# Altium PCB roach2.PcbDoc (part 31 of 39)
Units mil, origin at the board's own origin, x right, y up, seen from the top; angles counter-clockwise.
Board outline 12007.87 x 9606.3 mil, 16 copper layers (L1_TOP, L2_G, L3_S, L4_G, L5_S, L6_P, L7_G, L8_R, L9_R, L10_P, L11_P, L12_S, L13_P, L14_S, L15_G, L16_BOT), stack 81.651 mil thick; 1608 components, 1934 nets, 9335 pads, 6759 vias.
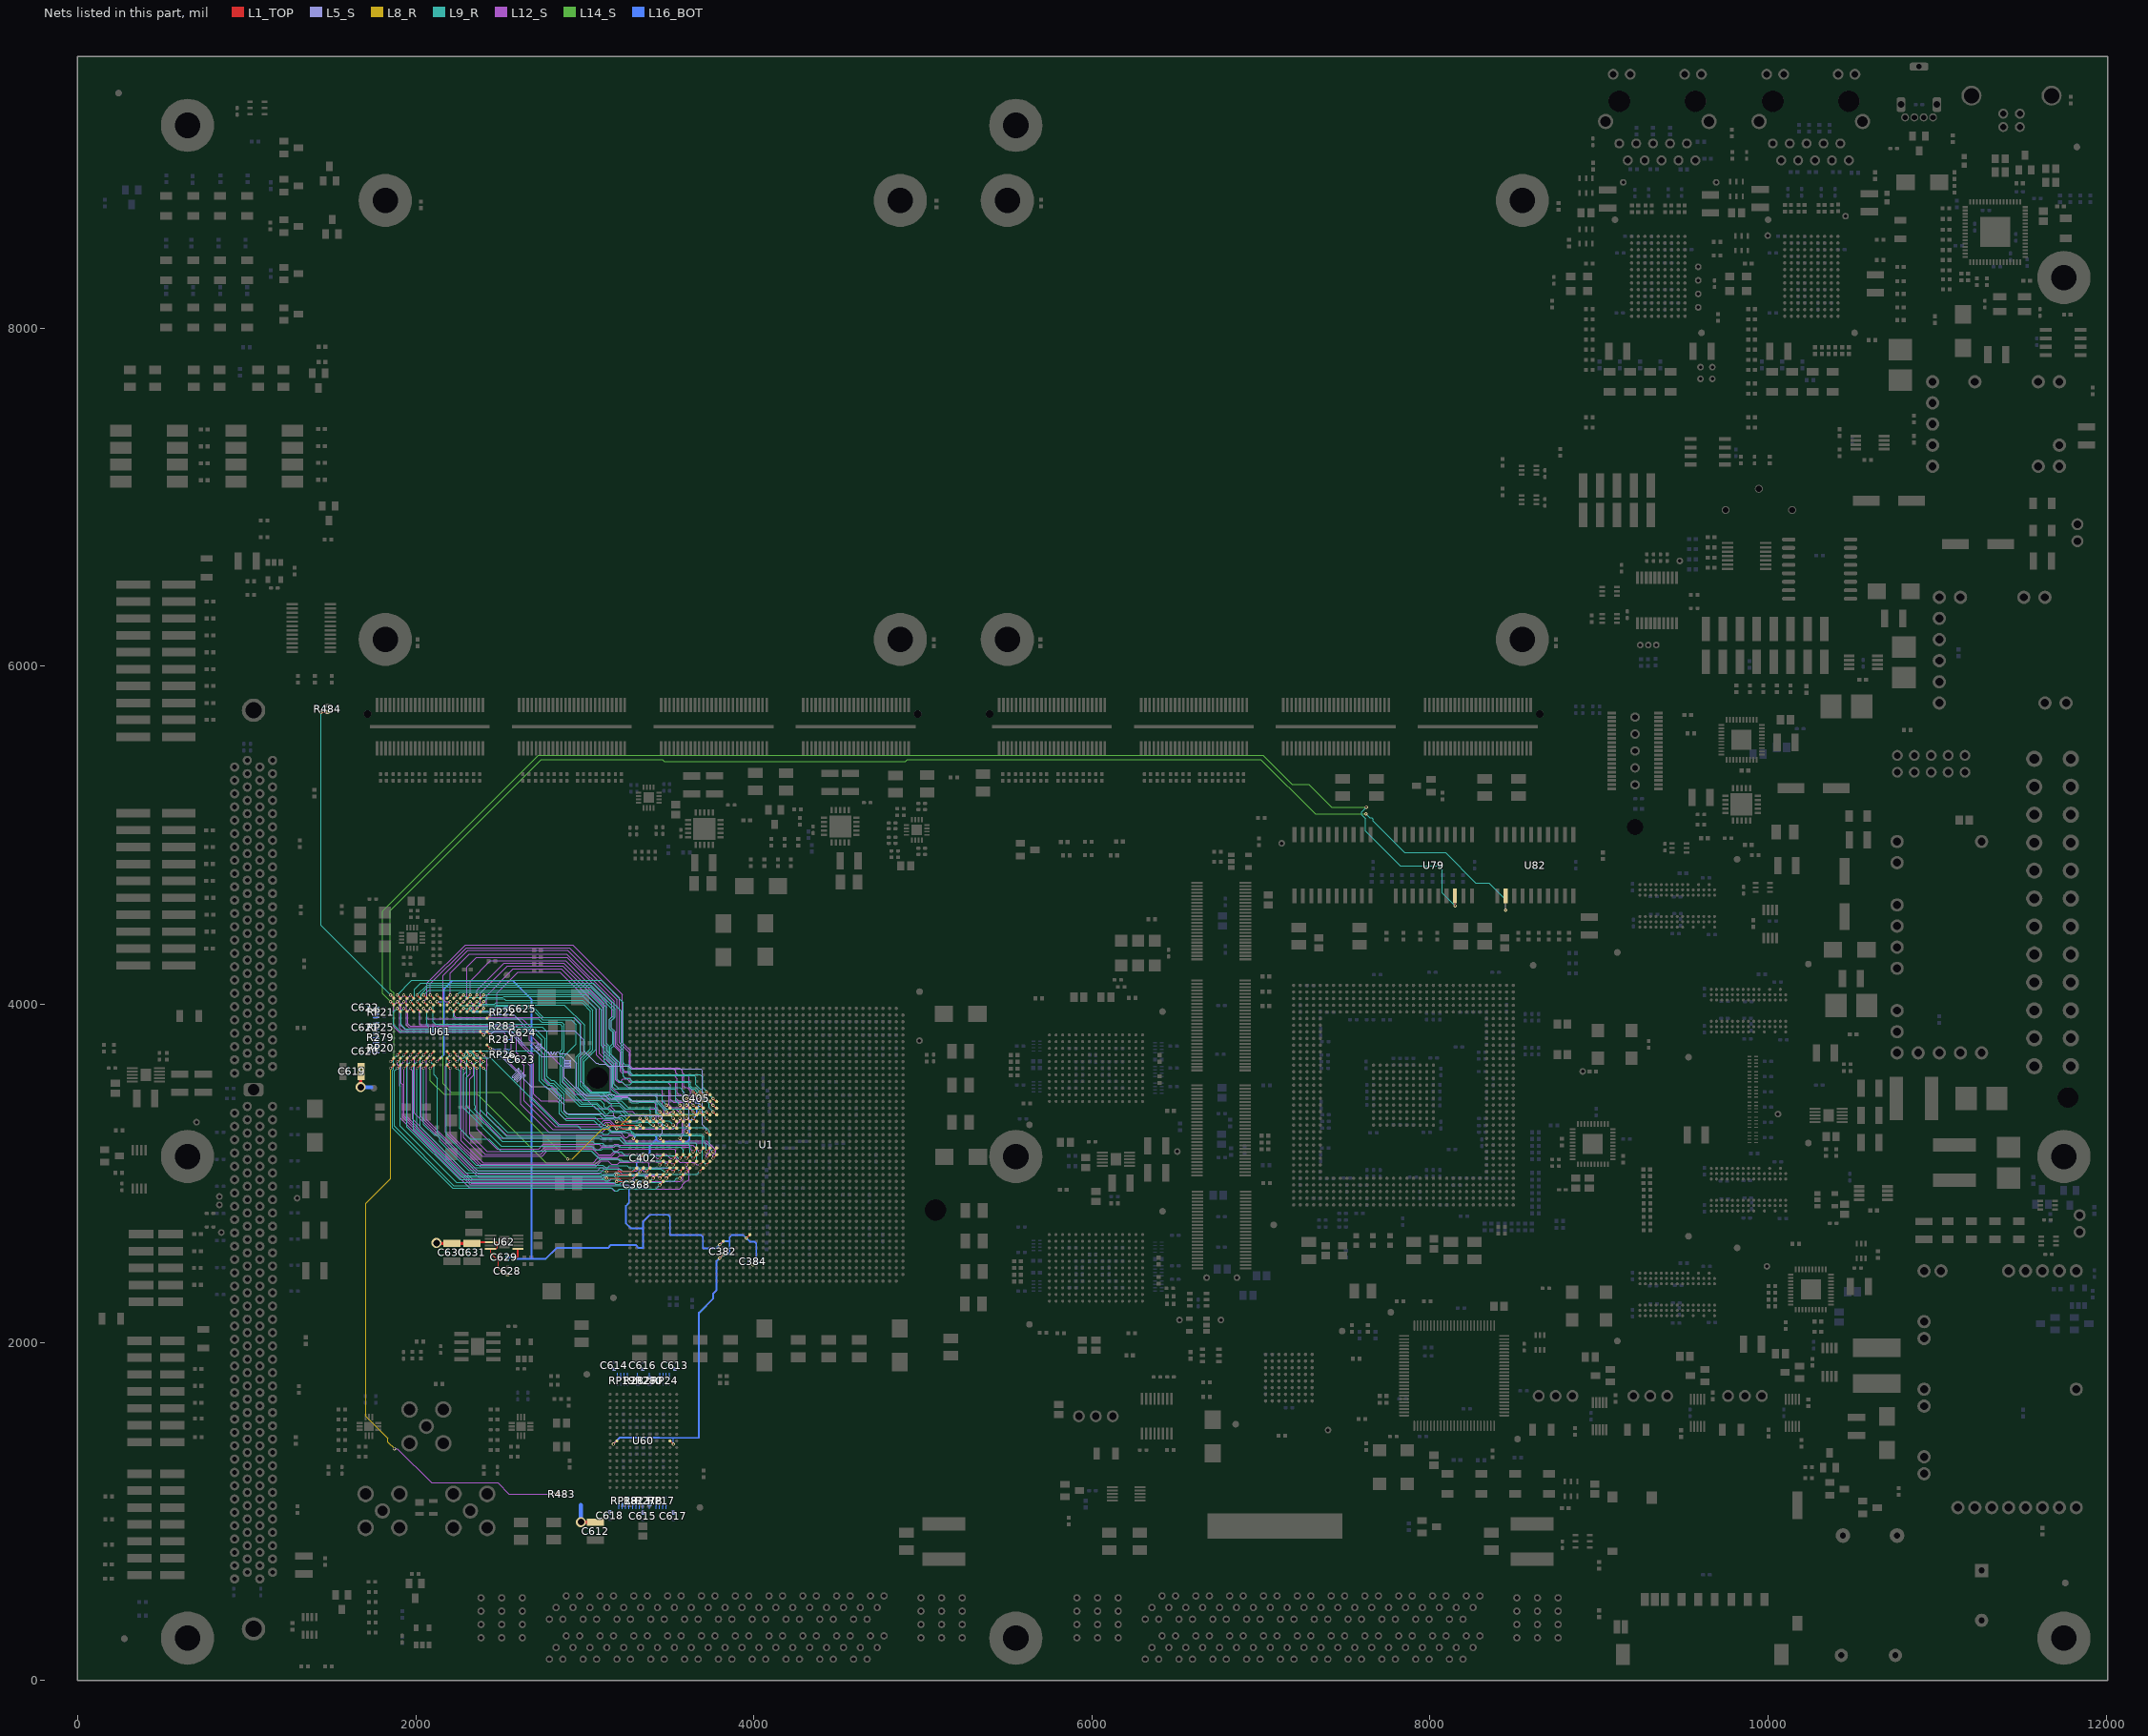
[diagram p45: the nets of this part, all layers, seen from the top]

## Via types
v1: diameter 19.4, hole 10, L1_TOP to L16_BOT, tented both sides, 3354 vias
v2: diameter 19.4, hole 10, L1_TOP to L16_BOT, 1884 vias
v3: diameter 19.4, hole 10, L1_TOP to L16_BOT, tented top, 410 vias
v4: diameter 18.6, hole 10, L1_TOP to L16_BOT, tented both sides, 311 vias
v5: diameter 59.06, hole 39.37, L1_TOP to L16_BOT, 217 vias
v6: diameter 19, hole 10, L1_TOP to L16_BOT, 198 vias
v7: diameter 19.4, hole 10.04, L1_TOP to L16_BOT, 125 vias
v8: diameter 19.4, hole 10, L1_TOP to L16_BOT, tented bottom, 80 vias
v9: diameter 25.98, hole 12.99, L1_TOP to L16_BOT, tented top, 59 vias
v10: diameter 20, hole 10, L1_TOP to L16_BOT, 52 vias
v11: diameter 59.06, hole 39.37, L1_TOP to L16_BOT, tented top, 44 vias
v12: diameter 20, hole 10, L1_TOP to L16_BOT, tented top, 16 vias
v13: diameter 19, hole 10, L1_TOP to L16_BOT, tented top, 5 vias
v14: diameter 50, hole 28, L1_TOP to L16_BOT, 4 vias

## Nets (pads, with @x,y where several pads share a name; then routed paths per layer and width w, separated by ;. In a path a pad name is that pad's centre, name@x,y a point inside that pad or via, vN(x,y) a via of type N, cw(c..) or ccw(c..) an arc to the next point about the centre after c; other vN are vias at no path point) (continued)
QDR3.D0: U1.AN24 U61.P10 | length 2411.3
  L1_TOP w5: v1(1889.76,3661.42) U61.P10@1909.45,3681.1 ; v1(3601.46,3049.64) U1.AN24@3621.15,3069.33
  L12_S w3.8: v1(1889.76,3661.42) 1889.76,3644.11 1905.36,3628.51 1905.36,3515.62 1907.59,3513.39 1907.59,3327.53 1907.02,3326.96 2317.99,2915.99 3154.99,2915.99 3174.73,2896.25 3194.54,2896.25 3206.42,2908.13 3560.76,2908.13 3577.69,2925.07 3577.69,2934.01 3598.99,2955.3 3607.93,2955.3 3617.06,2964.44 3617.06,3016.74 3601.46,3032.34 v1(3601.46,3049.64)
QDR3.D1: U1.BB27 U61.N11 | length 1817.2
  L1_TOP w5: v1(1929.13,3622.05) U61.N11@1948.82,3641.73 ; v2(3188.08,2951.22) U1.BB27@3266.82,2951.22
  L12_S w3.8: v1(1929.13,3622.05) 1929.99,3621.19 1929.99,3338.99 2327.99,2940.99 3177.85,2940.99 v2(3188.08,2951.22)
QDR3.D2: U1.BB26 U61.M11 | length 1778
  L1_TOP w5: v1(1968.5,3622.05) U61.M11@1988.19,3641.73 ; v2(3188.08,2990.59) U1.BB26@3266.82,2990.59
  L12_S w3.8: v1(1968.5,3622.05) 1966.99,3620.54 1979.99,3607.54 1979.99,3321.25 2334.25,2966.99 3103.05,2966.99 3122.56,2986.5 3183.99,2986.5 v2(3188.08,2990.59)
QDR3.D3: U1.AT26 U61.K10 | length 2015.7
  L1_TOP w5: v1(2047.24,3661.42) U61.K10@2066.93,3681.1 ; v1(3483.35,2970.9) U1.AT26@3503.04,2990.59
  L12_S w3.8: v1(2047.24,3661.42) 2030.99,3645.16 2030.99,3333.99 2366.99,2997.99 3086.99,2997.99 3114.87,3025.87 3190.11,3025.87 3221.31,2994.67 3459.58,2994.67 v1(3483.35,2970.9)
QDR3.D4: U1.AU24 U61.J11 | length 1712.9
  L1_TOP w5: v1(2086.61,3622.05) U61.J11@2106.3,3641.73 ; v1(3443.98,3049.64) U1.AU24@3463.67,3069.33
  L14_S w3.8: v1(2086.61,3622.05) 2086.61,3547.39 2166,3468 2366,3468 2772,3062 3076,3062 3098.93,3084.93 3213.07,3084.93 3228,3070 3423.63,3070 v1(3443.98,3049.64)
QDR3.D5: U1.AR24 U61.G11 | length 1865.6
  L1_TOP w5: U61.G11@2185.04,3641.73 v1(2204.73,3622.05) ; v1(3522.72,3049.64) U1.AR24@3542.41,3069.33
  L12_S w3.8: v1(2204.73,3622.05) 2204.73,3232.26 2383.99,3052.99 3061.99,3052.99 3093.93,3084.93 3194.54,3084.93 3206.43,3073.04 3374.93,3073.04 3380.99,3066.99 3505.37,3066.99 v1(3522.72,3049.64)
QDR3.D6: U1.AR23 U61.E10 | length 1852.9
  L1_TOP w5: U61.E10@2263.78,3681.1 v1(2283.47,3661.42) ; v1(3522.72,3089.01) U1.AR23@3542.41,3108.7
  L12_S w3.8: v1(2283.47,3661.42) 2299.07,3645.82 2299.07,3600.07 2283.99,3584.99 2283.99,3212.99 2393.99,3102.99 2415.99,3102.99 ; 2413.99,3102.99 2415.99,3102.99 ; v1(3522.72,3089.01) 3505.41,3089.01 3482.01,3112.41 3405.36,3112.41 3404.99,3112.78 3206.06,3112.78 3194.54,3124.3 3181.62,3124.3 3159.31,3101.99 3070.2,3101.99 3038.42,3133.77 2777.77,3133.77 2746.99,3102.99 2415.99,3102.99
QDR3.D7: U1.AL24 U61.D11 | length 1995.2
  L1_TOP w5: U61.D11@2303.15,3641.73 v1(2322.84,3622.05) ; v1(3680.2,3049.64) U1.AL24@3699.89,3069.33
  L12_S w3.8: v1(2322.84,3622.05) 2322.99,3621.89 2322.99,3589.99 2300.99,3567.99 2300.99,3223.99 2410.99,3113.99 ; 2408.99,3113.99 2410.99,3113.99 ; v1(3680.2,3049.64) 3662.9,3049.64 3647.3,3065.24 3563.8,3065.24 3538.32,3090.72 3538.32,3134.85 3529.18,3143.98 3206.05,3143.98 3194.54,3132.47 3175.47,3132.47 3152.99,3109.99 3079.99,3109.99 3045.99,3143.99 2770.99,3143.99 2740.99,3113.99 2410.99,3113.99
QDR3.D8: U1.AL22 U61.C11 | length 1819.6
  L1_TOP w5: U61.C11@2342.52,3641.73 v1(2362.21,3622.05) ; v1(3680.2,3128.38) U1.AL22@3699.89,3148.07
  L12_S w3.8: v1(2362.21,3622.05) 2358.99,3618.83 2361.99,3615.83 2361.99,3262.99 2479.99,3144.99 2727.99,3144.99 2755.06,3172.06 3085.56,3172.06 3093.29,3164.32 3168.99,3164.32 3176.14,3171.47 3197.77,3171.47 3201.25,3167.99 3640.6,3167.99 v1(3680.2,3128.38)
QDR3.D9: U1.AN25 U61.N10 | length 2308.1
  L1_TOP w5: v1(1929.13,3661.42) U61.N10@1948.82,3681.1 ; v1(3601.46,3010.27) U1.AN25@3621.15,3029.96
  L12_S w3.8: v1(1929.13,3661.42) 1913.53,3645.82 1913.53,3533.45 1920.99,3525.99 1920.99,3331.99 2320.99,2931.99 3256.99,2931.99 3273.05,2915.93 3371.7,2915.93 3380.84,2925.07 3380.84,2939.84 3391.99,2950.99 3563.99,2950.99 3568.3,2955.3 3568.56,2955.3 3578.99,2965.74 3578.99,2987.8 v1(3601.46,3010.27)
QDR3.D10: U1.AW27 U61.M9 | length 2023.4
  L1_TOP w5: v1(1968.5,3700.79) U61.M9@1988.19,3720.47 ; v1(3365.24,2931.53) U1.AW27@3384.93,2951.22
  L12_S w3.8: v1(1968.5,3700.79) 1950.99,3683.28 1950.99,3332.99 2328.68,2955.3 3145.3,2955.3 3159.99,2969.99 3201.99,2969.99 3220.99,2950.99 3345.78,2950.99 v1(3365.24,2931.53)
QDR3.D11: U1.AU26 U61.L9 | length 2042.5
  L1_TOP w5: v1(2007.87,3700.79) U61.L9@2027.56,3720.47 ; v1(3443.98,2970.9) U1.AU26@3463.67,2990.59
  L12_S w3.8: v1(2007.87,3700.79) 1991.99,3684.9 1991.99,3354.99 2368.99,2977.99 3094.99,2977.99 3111.67,2994.67 3170.1,2994.67 3181.62,3006.19 3194.54,3006.19 3214.23,2986.5 3428.38,2986.5 v1(3443.98,2970.9)
QDR3.D12: U1.AW25 U61.J9 | length 1902.2
  L1_TOP w5: v1(2086.61,3700.79) U61.J9@2106.3,3720.47 ; v1(3365.24,3010.27) U1.AW25@3384.93,3029.96
  L12_S w3.8: v1(2086.61,3700.79) 2062.84,3677.02 2062.84,3320.14 2367.99,3014.99 3073.99,3014.99 3092.99,3033.99 3126.99,3033.99 3127.31,3033.67 3197.43,3033.67 3216.74,3014.36 3307.9,3014.36 3319.41,3025.87 3332.33,3025.87 3347.93,3010.27 v1(3365.24,3010.27)
QDR3.D13: U1.AR25 U61.G10 | length 1973.6
  L1_TOP w5: U61.G10@2185.04,3681.1 v1(2204.73,3661.42) ; v1(3522.72,3010.27) U1.AR25@3542.41,3029.96
  L12_S w3.8: v1(2204.73,3661.42) 2176.99,3633.68 2176.99,3243.99 2381.99,3038.99 3064.99,3038.99 3099.04,3073.04 3138.72,3073.04 3158.03,3053.73 3194.54,3053.73 3206.05,3065.24 3371.7,3065.24 3380.84,3056.11 3380.84,3041.14 3390.99,3030.99 3502,3030.99 v1(3522.72,3010.27)
QDR3.D14: U1.AU23 U61.F9 | length 1827
  L1_TOP w5: U61.F9@2224.41,3720.47 v1(2244.1,3700.79) ; v1(3443.98,3089.01) U1.AU23@3463.67,3108.7
  L12_S w3.8: v1(2244.1,3700.79) 2267.87,3677.02 2267.87,3615.58 2267.99,3615.46 2267.99,3192.92 2397.99,3062.92 3048.92,3062.92 3079.1,3093.1 3194.54,3093.1 3206.05,3104.61 3411.07,3104.61 3426.67,3089.01 v1(3443.98,3089.01)
QDR3.D15: U1.AM22 U61.D10 | length 1911.8
  L1_TOP w5: U61.D10@2303.15,3681.1 v1(2322.84,3661.42) ; v1(3640.83,3128.38) U1.AM22@3660.52,3148.07
  L12_S w3.8: v1(2322.84,3661.42) 2342.99,3641.26 2342.99,3581.99 2318.99,3557.99 2318.99,3232.23 2422.23,3128.99 2736.99,3128.99 2766.99,3158.99 3047.99,3158.99 3066.13,3140.86 3085.56,3140.86 3101.22,3156.52 3174.47,3156.52 3181.62,3163.67 3194.54,3163.67 3202.22,3155.99 3613.23,3155.99 v1(3640.83,3128.38)
QDR3.D16: U1.AK23 U61.C9 | length 1942.5
  L1_TOP w5: U61.C9@2342.52,3720.47 v1(2362.21,3700.79) ; v1(3719.57,3089.01) U1.AK23@3739.26,3108.7
  L12_S w3.8: v1(2362.21,3700.79) 2380.99,3682 2380.99,3330.06 2500.99,3210.06 3084.56,3210.06 3091.57,3203.04 3203.68,3203.04 3226.73,3179.99 3718.99,3179.99 3740,3158.98 3740,3126.75 3719.57,3106.32 v1(3719.57,3089.01)
QDR3.D17: U1.AJ23 U61.B9 | length 1917.2
  L1_TOP w5: U61.B9@2381.89,3720.47 v1(2401.58,3700.79) ; v1(3758.94,3089.01) U1.AJ23@3778.63,3108.7
  L12_S w3.8: v1(2401.58,3700.79) 2421.99,3680.37 2421.99,3339.99 2535.99,3225.99 3207.99,3225.99 3242.46,3191.53 3721.99,3191.53 3774.54,3138.97 3774.54,3121.92 3758.94,3106.32 v1(3758.94,3089.01)
QDR3.D18: U1.AR17 U61.B3 | length 1943.9
  L1_TOP w5: U61.B3@2381.89,3956.69 v1(2401.58,3976.38) ; v1(3522.72,3364.61) U1.AR17@3542.41,3344.92
  L12_S w3.8: v1(2401.58,3976.38) 2401.99,3976.79 2401.99,3991.98 2417.18,4007.16 2417.18,4049.18 2576.99,4208.99 2861.99,4208.99 3087.99,3982.99 3087.99,3708.99 3159.8,3637.18 3159.8,3508.62 3201.3,3467.12 3424.87,3467.12 3428.38,3463.6 3428.38,3419.6 3467.75,3380.23 3467.75,3358.14 3476.89,3349.01 3489.81,3349.01 3505.41,3364.61 v1(3522.72,3364.61)
QDR3.D19: U1.AP17 U61.C3 | length 2039.2
  L1_TOP w5: U61.C3@2342.52,3956.69 v1(2362.21,3976.38) ; v1(3562.09,3364.61) U1.AP17@3581.46,3345.24
  L12_S w3.8: v1(2362.21,3976.38) 2363.38,3976.38 2380.99,3993.99 2380.99,4066.99 2540.99,4226.99 2869.99,4226.99 3104.99,3991.99 3104.99,3710.99 3170.99,3644.99 3170.99,3530.99 3203.3,3498.69 3446.99,3498.69 3447.36,3498.32 3450.44,3498.32 3459.58,3489.18 3459.58,3405.68 3485.06,3380.21 3538.32,3380.21 3553.92,3364.61 v1(3562.09,3364.61)
QDR3.D20: U1.AU17 U61.D2 | length 1966.2
  L1_TOP w5: U61.D2@2303.15,3996.06 v1(2322.84,4015.75) ; v1(3443.98,3364.61) U1.AU17@3463.67,3344.92
  L12_S w3.8: v1(2322.84,4015.75) 2338.99,3999.59 2338.99,3969.99 2351.99,3956.99 2462.99,3956.99 2478.99,3972.99 2478.99,4064.99 2602.99,4188.99 ; 2600.99,4188.99 2602.99,4188.99 ; v1(3443.98,3364.61) 3420.21,3388.38 3420.21,3410.44 3405.66,3424.99 3279.99,3424.99 3250.99,3453.99 3175.99,3453.99 3152,3477.98 3152,3619.98 3070.99,3700.99 3070.99,3970.99 2852.99,4188.99 2602.99,4188.99
QDR3.D21: U1.AU18 U61.F3 | length 1791.1
  L1_TOP w5: U61.F3@2224.41,3956.69 v1(2244.1,3976.38) ; v1(3443.98,3325.24) 3463.35,3305.87 U1.AU18@3463.67,3305.55
  L12_S w3.8: v1(2244.1,3976.38) 2242.38,3976.38 2228.5,3962.5 2228.5,3930.55 2237.63,3921.41 2561.41,3921.41 2562.99,3922.99 2937.99,3922.99 2977.99,3882.99 2977.99,3544.99 3040.99,3481.99 3098.99,3481.99 3141.99,3438.99 3180.99,3438.99 3239.78,3380.21 3417.35,3380.21 3424.99,3372.57 3424.99,3344.23 v1(3443.98,3325.24)
QDR3.D22: U1.AL15 U61.G2 | length 2459.1
  L1_TOP w5: U61.G2@2185.04,3996.06 v1(2204.73,4015.75) ; v1(3680.2,3443.35) 3699.57,3423.98 U1.AL15@3699.89,3423.66
  L12_S w3.8: v1(2204.73,4015.75) 2204.48,4015.99 2176.99,4015.99 2161.99,4030.99 2161.99,4171.99 2308.99,4318.99 2897.99,4318.99 3190.99,4025.99 3190.99,3764.99 3227.53,3728.45 3227.53,3614.05 3236.67,3604.91 3264.98,3604.91 3270.9,3598.99 3270.9,3594.37 3280.04,3585.23 3536.76,3585.23 3544.99,3576.99 3555.57,3576.99 3555.63,3577.06 3568.56,3577.06 3577.69,3567.92 3577.69,3521.29 3577.99,3520.99 3577.99,3484.13 3603.17,3458.95 3647.3,3458.95 3662.9,3443.35 v1(3680.2,3443.35)
QDR3.D23: U1.AU19 U61.J3 | length 1863.3
  L1_TOP w5: v1(2086.61,3976.38) U61.J3@2106.3,3956.69 ; v1(3443.98,3285.87) 3463.35,3266.5 U1.AU19@3463.67,3266.18
  L12_S w3.8: v1(2086.61,3976.38) 2065.99,3955.76 2065.99,3920.99 2073.75,3913.24 2629.75,3913.24 2693.99,3848.99 2693.99,3799.99 2868.99,3624.99 2868.99,3540.99 2941.99,3467.99 3079.99,3467.99 3118.99,3428.99 3134.99,3428.99 3155.99,3407.99 3155.99,3392.99 3182.99,3365.99 3280.99,3365.99 3300.99,3345.99 3410.99,3345.99 3421.99,3334.99 3421.99,3307.86 v1(3443.98,3285.87)
QDR3.D24: U1.AY18 U61.L3 | length 1824.5
  L1_TOP w5: v1(2007.87,3976.38) U61.L3@2027.56,3956.69 ; v1(3325.87,3325.24) 3345.24,3305.87 U1.AY18@3345.56,3305.55
  L12_S w3.8: v1(2007.87,3976.38) 2018.77,3965.48 2018.77,3965.21 2023.47,3960.51 2023.47,3883.51 2027.19,3879.79 2622.19,3879.79 2672.99,3828.99 2672.99,3786.99 2760.99,3698.99 2760.99,3551.99 2877.99,3434.99 3012.99,3434.99 3064.99,3382.99 3144.99,3382.99 3172.48,3355.51 3172.48,3338.46 3181.62,3329.32 3198.66,3329.32 3220.99,3306.99 3307.63,3306.99 v1(3325.87,3325.24)
QDR3.D25: U1.BB18 U61.M3 | length 1890.4
  L1_TOP w5: v1(1968.5,3976.38) U61.M3@1988.19,3956.69 ; v2(3188.08,3305.55) U1.BB18@3266.82,3305.55
  L12_S w3.8: v1(1968.5,3976.38) 1952.9,3960.78 1952.9,3886.08 1966.99,3871.99 2594.99,3871.99 2624.99,3841.99 2624.99,3771.99 2697.99,3698.99 2697.99,3468.99 2738.99,3427.99 2834.99,3427.99 2848.99,3413.99 2848.99,3352.99 2876.99,3324.99 3168.64,3324.99 v2(3188.08,3305.55)
QDR3.D26: U1.BB19 U61.N2 | length 1977.7
  L1_TOP w5: v1(1929.13,4015.75) U61.N2@1948.82,3996.06 ; v2(3188.08,3266.18) U1.BB19@3266.82,3266.18
  L12_S w3.8: v1(1929.13,4015.75) 1913.53,4000.15 1913.53,3874.45 1931.99,3855.99 2547.99,3855.99 2594.99,3808.99 2594.99,3714.99 2676.49,3633.49 2676.49,3426.49 2825.99,3276.99 3099.72,3276.99 3124.47,3301.74 3146.53,3301.74 3182.09,3266.18 v2(3188.08,3266.18)
QDR3.D27: U1.AM17 U61.C1 | length 2072.7
  L1_TOP w5: U61.C1@2342.52,4035.43 v1(2362.21,4055.12) ; v1(3640.83,3364.61) 3660.2,3345.24 U1.AM17@3660.52,3344.92
  L12_S w3.8: v1(2362.21,4055.12) 2361.99,4055.33 2361.99,4081.99 2522.99,4242.99 2874.99,4242.99 3114.99,4002.99 3114.99,3721.99 3181.99,3654.99 3181.99,3554.14 3198.07,3538.06 3205.99,3538.06 3206.36,3537.69 3223.36,3537.69 3254.56,3506.49 3411.07,3506.49 3411.19,3506.61 3443.99,3506.61 3444.11,3506.49 3493.49,3506.49 3493.99,3506.99 3498.94,3502.04 3498.94,3481.99 3499.32,3481.61 3499.32,3405.31 3516.26,3388.38 3617.06,3388.38 v1(3640.83,3364.61)
QDR3.D28: U1.AM16 U61.D1 | length 2152.5
  L1_TOP w5: U61.D1@2303.15,4035.43 v1(2322.84,4055.12) ; v1(3640.83,3403.98) 3660.2,3384.61 U1.AM16@3660.52,3384.29
  L12_S w3.8: v1(2322.84,4055.12) 2321.99,4055.96 2321.99,4137.99 2441.99,4257.99 2885.99,4257.99 3128.99,4014.99 3128.99,3726.99 3192.16,3663.82 3192.16,3554.99 3201.3,3545.86 3214.23,3545.86 3225.74,3557.37 3249.6,3557.37 3269.16,3537.81 3450.06,3537.81 3450.18,3537.69 3490.43,3537.69 3507.12,3520.99 3507.12,3436.88 3524.06,3419.95 3624.86,3419.95 v1(3640.83,3403.98)
QDR3.D29: U1.AJ16 U61.E2 | length 2392.7
  L1_TOP w5: U61.E2@2263.78,3996.06 v1(2283.47,4015.75) ; v1(3758.94,3403.98) 3778.31,3384.61 U1.AJ16@3778.63,3384.29
  L12_S w3.8: v1(2283.47,4015.75) 2301.99,4034.27 2301.99,4219.99 2358.99,4276.99 2894.99,4276.99 3160.99,4010.99 3160.99,3924.99 3146.99,3910.99 3146.99,3854.99 3170.99,3830.99 3170.99,3756.96 3210.99,3716.96 3210.99,3603.99 3227.53,3587.45 3227.53,3574.68 3236.67,3565.54 3266.35,3565.54 3270.9,3560.99 3270.9,3554.99 3280.04,3545.86 3524.99,3545.86 3538.32,3532.53 3538.32,3445.06 3555.63,3427.75 3735.17,3427.75 v1(3758.94,3403.98)
QDR3.D30: U1.AN15 U61.G1 | length 2255.9
  L1_TOP w5: U61.G1@2185.04,4035.43 v1(2204.73,4055.12) ; v1(3601.46,3443.35) 3620.83,3423.98 U1.AN15@3621.15,3423.66
  L12_S w3.8: v1(2204.73,4055.12) 2204.99,4055.39 2204.99,4185.99 2316.99,4297.99 2891.99,4297.99 3172.99,4016.99 3172.99,3919.99 3157.39,3904.39 3157.39,3860.53 3181.99,3835.93 3181.99,3756.99 3219.73,3719.25 3219.73,3610.82 3233.44,3597.11 3255.91,3597.11 3275.59,3577.43 3522.99,3577.43 3523.36,3577.06 3529.18,3577.06 3546.49,3559.75 3546.49,3476.25 3555.63,3467.12 3562.37,3467.12 3586.14,3443.35 v1(3601.46,3443.35)
QDR3.D31: U1.AK15 U61.J1 | length 2464.7
  L1_TOP w5: v1(2086.61,4055.12) U61.J1@2106.3,4035.43 ; v1(3719.57,3443.35) 3738.94,3423.98 U1.AK15@3739.26,3423.66
  L12_S w3.8: v1@2083.86,4055.12 v1(2086.61,4055.12) 2086.61,4121.61 2298.99,4333.99 2909.99,4333.99 3204.99,4038.99 3204.99,3772.99 3263.1,3714.88 3263.1,3630.51 3276.81,3616.8 3526.99,3616.8 3527.36,3616.43 3529.18,3616.43 3538.32,3607.29 3538.32,3595.66 3548.99,3584.99 3571.65,3584.99 3585.86,3570.78 3585.86,3515.62 3595,3506.49 3604.5,3506.49 3625.23,3485.75 3625.23,3476.25 3634.37,3467.12 3678.5,3467.12 3702.27,3443.35 v1(3719.57,3443.35)
QDR3.D32: U1.AM14 U61.K2 | length 2466.9
  L1_TOP w5: v1(2047.24,4015.75) U61.K2@2066.93,3996.06 ; v1(3640.83,3482.72) 3660.2,3463.35 U1.AM14@3660.52,3463.03
  L12_S w3.8: v1@2045.24,4015.75 v1(2047.24,4015.75) 2066.99,4035.5 2066.99,4124.99 2294.39,4352.39 2927.59,4352.39 3221.99,4057.99 3221.99,3773.99 3270.9,3725.08 3270.9,3633.74 3280.04,3624.6 3560.39,3624.6 3577.69,3607.29 3577.69,3594.29 3594.93,3577.06 3607.93,3577.06 3617.06,3567.92 3617.06,3506.49 v1(3640.83,3482.72)
QDR3.D33: U1.AP18 U61.M1 | length 2344.2
  L1_TOP w5: v1(1968.5,4055.12) U61.M1@1988.19,4035.43 ; v1(3562.09,3325.24) 3581.46,3305.87 U1.AP18@3581.78,3305.55
  L12_S w3.8: v1(1968.5,4055.12) 1944.73,4031.35 1944.73,3878.25 1959.19,3863.79 2565.19,3863.79 2610.99,3817.99 2610.99,3768.99 2690.19,3689.79 2690.19,3447.79 2845.99,3291.99 3091.99,3291.99 3112.99,3312.99 3148.99,3312.99 3180.2,3281.78 3203.68,3281.78 3223.36,3262.1 3524.99,3262.1 3546.49,3283.6 3546.49,3292.33 3562.09,3307.93 v1(3562.09,3325.24)
QDR3.D34: U1.AN18 U61.N1 | length 2483.6
  L1_TOP w5: v1(1929.13,4055.12) U61.N1@1948.82,4035.43 ; v1(3601.46,3325.24) 3620.83,3305.87 U1.AN18@3621.15,3305.55
  L12_S w3.8: v1(1929.13,4055.12) 1905.36,4031.35 1905.36,3857.62 1917.99,3844.99 2534.99,3844.99 2564.99,3814.99 2564.99,3713.99 2640.99,3637.99 2640.99,3428.99 2809.99,3259.99 3101.99,3259.99 3111.9,3269.9 3138.72,3269.9 3157.81,3250.81 3158.03,3250.81 3162.05,3246.79 3215.76,3246.79 3220.15,3242.41 3249.6,3242.41 3261.11,3230.9 3568.56,3230.9 3577.69,3240.03 3577.69,3301.47 v1(3601.46,3325.24)
QDR3.D35: U1.AN19 U61.P2 | length 2478.3
  L1_TOP w5: v1(1889.76,4015.75) U61.P2@1909.45,3996.06 ; v1(3601.46,3285.87) 3620.83,3266.5 U1.AN19@3621.15,3266.18
  L12_S w3.8: v1(1889.76,4015.75) 1868.99,3994.98 1868.99,3867.99 1902.49,3834.5 2519.49,3834.5 2531.99,3821.99 2531.99,3676.99 2621.99,3586.99 2621.99,3409.99 2788.99,3242.99 3103.46,3242.99 3122.56,3262.1 3135.49,3262.1 3158.59,3238.99 3212.53,3238.99 3227.53,3223.99 3227.53,3220.35 3236.67,3211.21 3249.6,3211.21 3261.11,3222.73 3579.73,3222.73 3585.86,3228.86 3585.86,3252.96 3601.46,3268.56 v1(3601.46,3285.87)
QDR3.DOFFN: U1.AL17 U61.H1 | length 2414.1
  L1_TOP w5: v1(2125.98,4055.12) U61.H1@2145.67,4035.43 ; v1(3680.2,3364.61) 3699.57,3345.24 U1.AL17@3699.89,3344.92
  L8_R w3.8: v2(2898.99,3084.99) 2924.99,3084.99 3102.99,3262.99 3140.99,3262.99 3160.99,3282.99 3210.99,3282.99 3272.99,3344.99 3660.59,3344.99 v1(3680.2,3364.61)
  L14_S w3.8: v1(2125.98,4055.12) 2160.99,4020.11 2160.99,3530.99 2210.99,3480.99 2502.99,3480.99 v2(2898.99,3084.99)
QDR3.K: U1.AN20 U61.B6 | length 1977.2
  L1_TOP w5: U61.B6@2381.89,3838.58 v1(2401.58,3818.9) ; v1(3601.46,3246.5) 3620.83,3227.13 U1.AN20@3621.15,3226.81
  L5_S w3.8: v1(2401.58,3818.9) 2463.67,3880.99 2524.99,3880.99 2633.99,3771.99 2720.99,3771.99 2723.21,3769.77 cw(c2720.1,3766.66) 2723.21,3763.55 2708.69,3749.02 ccw(c2711.8,3745.91) 2708.69,3742.8 ccw(c2711.8,3745.91) 2714.91,3742.8 2732.55,3760.44 2734.81,3762.7 cw(c2737.92,3759.59) 2741.03,3762.7 ; 3450.69,3458.69 3450.81,3458.81 ; v1(3601.46,3246.5) 3617.06,3262.1 3617.06,3449.81 3607.93,3458.95 3493.18,3458.95 3493.04,3458.81 3450.81,3458.81 ; 2721.13,3730.35 cw(c2724.24,3733.46) 2721.13,3736.58 2741.03,3756.48 ; 2721.13,3730.35 ccw(c2724.24,3733.46) 2727.36,3730.35 ; 2721.13,3730.35 ccw(c2724.24,3733.46) 2727.36,3730.35 ; 2727.36,3730.35 2741.88,3744.88 ; 2741.03,3756.48 ccw(c2737.92,3759.59) 2741.03,3762.7 ; 2741.03,3756.48 ccw(c2737.92,3759.59) 2741.03,3762.7 ; 2741.88,3744.88 cw(c2744.99,3741.77) 2748.1,3744.88 ; 2741.88,3744.88 cw(c2744.99,3741.77) 2748.1,3744.88 ; 2748.1,3744.88 2774.99,3717.99 2779.39,3717.99 2783.79,3717.99 cw(c2783.79,3713.59) 2788.19,3713.59 2788.19,3708.21 ccw(c2792.59,3708.21) 2792.59,3703.81 ccw(c2792.59,3708.21) 2796.99,3708.21 2796.99,3713.59 cw(c2801.39,3713.59) 2801.39,3717.99 cw(c2801.39,3713.59) 2805.79,3713.59 2805.79,3708.21 ccw(c2810.19,3708.21) 2810.19,3703.81 ccw(c2810.19,3708.21) 2814.59,3708.21 2814.59,3713.59 cw(c2818.99,3713.59) 2818.99,3717.99 cw(c2818.99,3713.59) 2823.39,3713.59 2823.39,3708.21 ccw(c2827.79,3708.21) 2827.79,3703.81 ccw(c2827.79,3708.21) 2832.19,3708.21 2832.19,3713.59 cw(c2836.59,3713.59) 2836.59,3717.99 2839.99,3717.99 2848.99,3708.99 2894.99,3708.99 2951.99,3651.99 2951.99,3510.99 3006.99,3455.99 3125.99,3455.99 3135.99,3465.99 3173.99,3465.99 3181.18,3458.81 3200.61,3458.81 3200.75,3458.95 3450.67,3458.95 3450.81,3458.81
QDR3.KN: U1.AP21 U61.A6 | length 1977.2
  L1_TOP w5: U61.A6@2421.26,3838.58 v1(2440.95,3818.9) ; v1(3562.09,3207.13) 3581.46,3187.76 U1.AP21@3581.78,3187.44
  L5_S w3.8: v1(2440.95,3818.9) 2466.04,3843.99 2545.99,3843.99 2627.99,3761.99 2672.99,3761.99 2742.99,3691.99 2862.99,3691.99 2877.56,3677.42 2877.56,3673.99 ; v1(3562.09,3207.13) 3585.49,3230.53 3585.49,3415.49 3573.24,3427.75 3276.24,3427.75 3254.99,3448.99 3222.99,3448.99 3213.99,3439.99 3006.99,3439.99 2877.56,3569.42 2877.56,3621.19 ; 2877.56,3621.19 cw(c2881.96,3621.19) 2881.96,3625.59 ; 2877.56,3621.19 cw(c2881.96,3621.19) 2881.96,3625.59 ; 2877.56,3638.79 cw(c2881.96,3638.79) 2881.96,3643.19 ; 2877.56,3638.79 ccw(c2881.96,3638.79) 2881.96,3634.39 ; 2877.56,3638.79 ccw(c2881.96,3638.79) 2881.96,3634.39 ; 2877.56,3638.79 cw(c2881.96,3638.79) 2881.96,3643.19 ; 2877.56,3656.39 cw(c2881.96,3656.39) 2881.96,3660.79 ; 2877.56,3656.39 cw(c2881.96,3656.39) 2881.96,3660.79 ; 2877.56,3656.39 ccw(c2881.96,3656.39) 2881.96,3651.99 ; 2877.56,3656.39 ccw(c2881.96,3656.39) 2881.96,3651.99 ; 2877.56,3673.99 ccw(c2881.96,3673.99) 2881.96,3669.59 ; 2877.56,3673.99 ccw(c2881.96,3673.99) 2881.96,3669.59 ; 2881.96,3625.59 2913.16,3625.59 ; 2881.96,3634.39 2913.16,3634.39 ; 2881.96,3643.19 2913.16,3643.19 ; 2881.96,3651.99 2913.16,3651.99 ; 2881.96,3660.79 2913.16,3660.79 ; 2881.96,3669.59 2913.16,3669.59 ; 2913.16,3625.59 ccw(c2913.16,3629.99) 2917.56,3629.99 ; 2913.16,3625.59 ccw(c2913.16,3629.99) 2917.56,3629.99 ; 2913.16,3634.39 cw(c2913.16,3629.99) 2917.56,3629.99 ; 2913.16,3634.39 cw(c2913.16,3629.99) 2917.56,3629.99 ; 2913.16,3643.19 ccw(c2913.16,3647.59) 2917.56,3647.59 ; 2913.16,3643.19 ccw(c2913.16,3647.59) 2917.56,3647.59 ; 2913.16,3651.99 cw(c2913.16,3647.59) 2917.56,3647.59 ; 2913.16,3651.99 cw(c2913.16,3647.59) 2917.56,3647.59 ; 2913.16,3660.79 ccw(c2913.16,3665.19) 2917.56,3665.19 ; 2913.16,3660.79 ccw(c2913.16,3665.19) 2917.56,3665.19 ; 2913.16,3669.59 cw(c2913.16,3665.19) 2917.56,3665.19 ; 2913.16,3669.59 cw(c2913.16,3665.19) 2917.56,3665.19